# Allegro board Sparrow Core PCB v1.1.brd (continued)
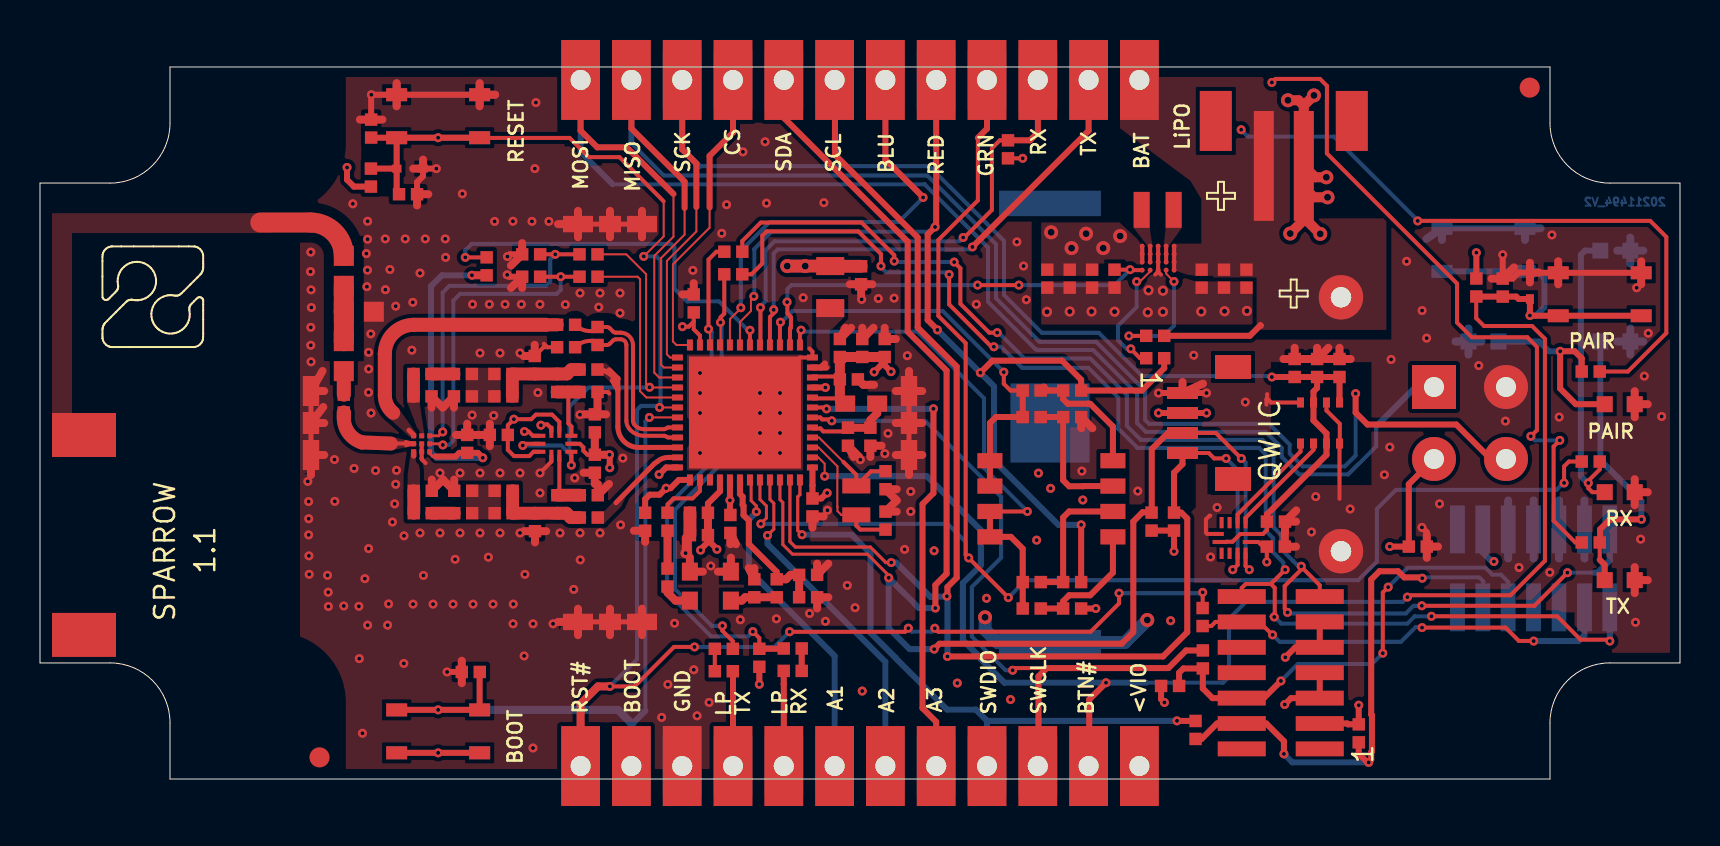
[diagram p0: board, top side]
## Routing (per net, layer and track width the routed paths; a pad name or vN(x,y) marks a point on that pad's centre or on a via; arc(x,y) is an arc through that point) (continued)
I2C2_SCL_BME: length 5.3
  TOP w0.2: U2.4 63.02,16.38 59.88,13.23 U7.4
I2C2_SDA: length 79.7
  TOP w0.15: U3.34 37,13.98 37.14,13.84 37.14,11.73 37.62,11.25 41.37,11.25 42.43,10.18 v1(42.43,10.07)
  TOP w0.2: v1(60.46,10.47) 60.28,10.66 U7.12 ; J4.3 58.79,17.31 v1(60.07,16.04)
  TOP w0.3: J4.3 56.39,17.31 55.59,16.51 55.59,13.34 R8.1 55.56,13.34 55.13,13.34 54.66,12.88 54.66,7.35 54.08,6.77 44.98,6.77 v1(44.71,6.5) ; v1(44.77,8.55) 44.77,9.71 45.33,10.27 45.33,20.44 43.38,22.38 43.38,26.88 37.2,33.07 37.2,34.96 J2.5
  BOTTOM w0.2: v1(60.07,16.04) 60.08,16.04 60.28,15.84 60.28,10.66 v1(60.46,10.47)
  BOTTOM w0.3: v1(44.71,6.5) 43.49,6.5 42.43,7.55 v1(42.43,10.07) 43.95,8.55 v1(44.77,8.55)
I2C2_SDA_BME: length 5.4
  TOP w0.2: U7.3 60.28,13.07 63.67,16.46 U2.3
LED_BLUE: length 74.4
  TOP w0.1: U3.8 34.5,22.89 34.5,22.89 34.5,23.01 35.05,23.56 35.05,23.58 v1(35.04,23.58)
  TOP w0.2: v1(68.88,27.92) 80.51,27.92 81.32,27.11 81.32,22.31 79.39,20.38 R18.1
  TOP w0.3: J2.7 42.27,30.99 44.16,29.1 44.16,29.09 v1(44.16,29.09)
  GND w0.3: v1(60.06,32.48) 42.57,32.48 42.27,32.78 J2.7
  BOTTOM w0.2: v1(60.06,32.48) 60.4,32.14 64.69,32.14 68.88,27.95 v1(68.88,27.92) ; v1(35.04,23.58) 35.04,26.43 36.47,27.86 42.93,27.86 v1(44.16,29.09)
LED_GREEN: length 75.8
  TOP w0.15: v1(36.04,12.76) 36.04,12.77 36.32,13.05 36.32,13.66 36,13.99 U3.32
  TOP w0.2: 46.89,32.08 46.89,28.95 44.92,26.97 44.92,23.17 46.28,21.8 46.28,11.21 v1(46.43,11.06) 48.42,9.08 v1(48.42,9.08) ; v1(76.2,14.81) 76.2,15.64 76.45,15.88 77.06,15.88
  TOP w0.3: J2.9 47.35,32.53 46.89,32.08
  BOTTOM w0.2: v1(48.42,9.08) 49.29,9.95 65.91,9.95 66.84,10.88 66.84,13.51 67.8,14.47 75.83,14.47 76.17,14.81 v1(76.2,14.81) ; v1(36.04,12.76) 45.37,12.76 46.28,11.85 46.28,11.21 v1(46.43,11.06)
LED_RED: length 109.2
  TOP w0.1: v1(35.69,24.15) 35.69,24.12 35.55,23.98 35.55,23.41 35,22.86 U3.7
  TOP w0.2: v1(74.54,17.15) 74.85,17.45 74.85,21.62 74.37,22.1 71.59,22.1 70.85,22.84 70.85,24.79 64.34,31.3 64.34,33.92 64.35,33.93 64.35,34.67 64,35.02 61.77,35.02 v1(61.59,34.84) ; v1(75.99,16.94) 75.68,16.63 75.68,12.92 76.77,11.83 R14.1
  TOP w0.3: J2.8 44.81,27.67 v1(44.75,27.62) 44.38,27.25 44.38,22.96 44.87,22.47 44.87,22.47 v1(44.87,22.47) ; v1(47.02,20.33) 47.62,20.93 51.1,20.93 52.06,19.98 R23.2 55.09,19.43 56.21,20.55 R6.1 ; v1(52.06,12.72) R25.2
  GND w0.2: 44.81,33.19 45.01,32.99 56.32,32.99 56.73,33.4 56.73,34.38 57.2,34.84 v1(61.59,34.84)
  GND w0.3: 44.81,33.19 J2.8
  BOTTOM w0.2: v1(35.69,24.15) 35.71,24.17 35.71,26.51 36.58,27.38 44.52,27.38 v1(44.75,27.62) ; v1(75.99,16.94) 74.74,16.94 v1(74.54,17.15)
  BOTTOM w0.3: v1(52.06,12.72) 50.92,12.72 47.7,15.93 47.7,19.64 v1(47.02,20.33) 47.02,20.33 44.87,22.47 44.87,22.47 v1(44.87,22.47)
LPUART1-UC-RX_DEV-TX: length 27
  TOP w0.1: U3.10 33.5,22.44 v1(33.43,22.51)
  TOP w0.2: R16.1 35.97,7.05 v1(35.64,7.38) ; R37.1 33.82,26.38 33.43,25.98 v1(33.43,22.51)
  TOP w0.3: R16.1 37.17,6.52 R3.1
  BOTTOM w0.2: v1(33.43,22.51) 33.5,22.44 33.5,22.36 33.58,22.36 33.58,15.87 31.35,13.64 31.35,9.33 33.55,7.14 35.41,7.14 v1(35.64,7.38)
LPUART1-UC-TX_DEV-RX: length 22.5
  TOP w0.1: U3.9 34.03,21.74 34.03,22.84 v1(34.02,22.84)
  TOP w0.2: R38.1 34.21,23.28 34.03,23.1 34.03,22.84 ; v1(34.12,7.66) 34.12,7.41 34.64,6.89 R1.1
  BOTTOM w0.2: v1(34.12,7.66) 33.59,7.66 31.75,9.5 31.75,13.47 34.09,15.81 34.09,22.78 v1(34.02,22.84)
NRST: length 90.2
  TOP w0.1: v1(30.98,18.59) U3.18 ; 31.18,28.9 31.18,27.14 v1(30.19,26.14)
  TOP w0.2: v1(44.74,7.54) 44.92,7.37 52.53,7.37 53.95,8.79 v1(53.95,9.3) ; PB3.4 21.99,32.07 26.48,32.07 27.44,31.11 28.97,31.11 31.18,28.9 ; v1(58.13,9.34) 58.13,8.56 R12.2 ; v1(32.73,6.61) 31.7,6.61 29.73,4.63 v1(28.5,4.63) ; v1(37.48,7.37) 43.25,7.37 43.42,7.53 v1(43.42,7.55)
  TOP w0.3: PB3.3 16.56,32.08 C29.1 ; PB3.3 17.83,32.08 TVS2.1 ; PB3.3 v1(19.91,32.08) PB3.4 ; TVS2.1 R21.1 ; TVS2.1 17.83,29.37 C23.1
  TOP w0.4: J1.12 27.03,3.76 27.9,4.63 v1(28.5,4.63)
  BOTTOM w0.2: v1(43.42,7.55) 43.6,7.37 44.57,7.37 v1(44.74,7.54) ; v1(28.5,4.63) 29.85,5.99 29.85,18.47 30.05,18.67 30.9,18.67 v1(30.98,18.59) 31.02,18.63 31.02,25.94 30.82,26.14 v1(30.19,26.14) ; v1(58.13,9.34) 58.09,9.3 v1(53.95,9.3) ; v1(32.73,6.61) 36.72,6.61 v1(37.48,7.37)
  BOTTOM w0.3: PB3.4 v1(19.91,32.08) PB3.3
RF1_50OHM: length 12.9
  TOP w0.25: 18.45,17.45 18.68,17.21 U6.3
  TOP w0.65: 25.3,22.72 C18.1
  TOP w0.7: 25.3,22.72 18.7,22.72 arc(17.67,22.3) 17.24,21.27 17.24,19.19 arc(17.35,18.71) 17.66,18.32
RF2: length 1.3
  TOP w0.25: U6.5 18.68,16.16 18.69,16.16
  TOP w0.64: L13.2 C47.1
RF3: length 1.1
  TOP w0.64: L10.2 C48.1
RF_HP_50OHM: length 4.6
  TOP w0.64: L7.1 26.54,13.08 26.32,13.3 L11.2 C43.1 L12.1 C38.2
RF_LP_50OHM: length 4.6
  TOP w0.64: C36.1 L9.1 C44.1 L8.2 26.35,20.26 26.57,20.48 L6.1
RFI+: length 9.8
  TOP w0.2: U3.20 31.42,17.59 arc(31.36,17.58) 31.31,17.54 arc(31.27,17.51) 31.21,17.5 30.19,17.5 arc(29.92,17.56) 29.71,17.74 arc(29.66,17.83) 29.65,17.93 29.65,21.71 arc(29.47,22.15) 29.03,22.33 28.8,22.33 arc(28.72,22.34) 28.65,22.39 28.49,22.55 arc(28.42,22.6) 28.35,22.61 L5.2 27.88,22.61 27.68,22.41 27.51,22.41 arc(27.1,22.49) C18.2
RFI-: length 9.8
  TOP w0.2: U3.21 31.42,17.09 arc(31.36,17.1) 31.31,17.13 arc(31.27,17.16) 31.21,17.17 30.19,17.17 arc(29.78,17.27) 29.45,17.54 arc(29.35,17.72) 29.32,17.93 29.32,21.71 arc(29.23,21.91) 29.03,22 28.8,22 arc(28.72,21.98) 28.65,21.94 28.49,21.77 arc(28.42,21.73) 28.35,21.71 L5.1 27.67,21.92 27.52,21.92 arc(27.11,21.84) C35.2
RFSEL_0: length 26
  TOP w0.2: v1(38.05,22.46) 38.01,22.46 38.01,22.29 38,22.28 U3.1 ; v1(49.37,13.38) DSW1.3
  TOP w0.3: DSW1.3 DSW1.4 48.54,12.11 49.14,11.52 R29.2 R28.2
  BOTTOM w0.2: v1(49.37,13.38) 49.37,13.39 47.2,15.56 47.2,19.05 43.86,22.38 38.09,22.38 38.02,22.46 v1(38.05,22.46)
RFSEL_1: length 21.8
  TOP w0.2: v1(37.02,22.85) 37,22.85 U3.3 ; v1(48.19,20.35) 48.19,19.77 48.53,19.43 R30.2
  TOP w0.3: DSW1.2 DSW1.1 47.5,17.81 47.8,18.11 R27.2 R30.2
  BOTTOM w0.2: v1(37.02,22.85) 37,22.85 37,22.86 37.07,22.86 37.63,23.41 45.13,23.41 v1(48.19,20.35)
SPI1_CS: length 15.3
  TOP w0.1: U3.12 31.82,21.71 31.65,21.89 31.65,25.74 33.48,27.58 33.48,28.59
  TOP w0.3: J2.4 34.65,32.34 33.48,31.17 33.48,28.59
SPI1_MISO: length 78.2
  TOP w0.1: U3.14 31.2,20.59 31.05,20.74 31.05,26.05 32.23,27.23 32.23,28.57
  TOP w0.3: 32.23,28.57 32.23,29.88 29.57,32.54 J2.2 ; v1(65.78,19.28) 65.78,18.33 66.38,17.73 70.81,17.73 72.54,16.01 U5.3
  BOTTOM w0.2: v1(65.78,19.28) 65.78,16.18 65.24,15.64 63.13,15.64 62.49,16.28 62.49,16.73 61.45,17.77 55.46,17.77 55.26,17.97 55.26,19.43 52.81,21.87 49.99,21.87 49.94,21.92 49.92,21.92 47.8,24.04 47.8,26.75 44.36,30.19 31.19,30.19 29.57,31.81
  BOTTOM w0.3: 29.57,31.81 J2.2
SPI1_MOSI: length 77.2
  TOP w0.1: U3.15 30.96,20.09 30.71,20.33 30.71,26.17 31.67,27.13 31.67,29.27
  TOP w0.3: J2.1 27.03,32.43 27.86,31.6 29.34,31.6 31.67,29.27
  BOTTOM w0.2: 28.63,29.75 44.24,29.75 47.4,26.59 47.4,23.88 49.76,21.52 49.78,21.52 49.83,21.47 49.94,21.47 49.94,21.47 52.65,21.47 54.86,19.26 54.86,17.8 55.3,17.37 61.29,17.37 62.09,16.57 62.09,16.11 62.96,15.24 65.41,15.24 66.81,16.64 66.81,17.65
  BOTTOM w0.3: 28.63,29.75 27.03,31.35 J2.1 ; U5.1 68.77,19.61 66.81,17.65
SPI1_SCK: length 71
  TOP w0.1: 32.82,28.62 32.82,27.39 31.34,25.92 31.34,21.25 31.51,21.09 U3.13
  TOP w0.2: U7.8 59.32,11.86 59.33,11.87 59.63,11.87 60.02,12.26 U7.2 61.15,12.26 61.35,12.46 C54.1
  TOP w0.3: 63.85,20.11 63.85,20.11 R35.2 62.73,20.11 v1(61.59,20.11) ; 63.85,20.11 C9.1 C8.1 64.97,18.84 64.97,18.84 ; 63.85,20.11 63.85,19.56 63.67,19.39 63.67,17.94 64.33,17.29 U2.2 64.33,16.21 61.35,13.24 C54.1 ; 32.82,28.62 32.82,30.79 32.11,31.5 J2.3
  BOTTOM w0.2: 32.96,30.66 44.46,30.66 48.2,26.92 48.2,24.21 50.09,22.32 52.94,22.32 55.1,20.16 61.43,20.16 61.48,20.11 v1(61.59,20.11)
  BOTTOM w0.3: J2.3 32.11,31.51 32.96,30.66
SWC: length 24.5
  TOP w0.2: v1(67.14,6.29) 67.14,9.33 v1(67.41,9.6)
  TOP w0.3: v1(62.05,4.91) 61.19,4.05 J6.6 58.63,4.05 58.14,4.53 R11.1 57.17,5.53 56.95,5.32 R13.2
  BOTTOM w0.2: J5.6 73.41,9.87 73.05,10.22 72.61,10.22 72.27,10.57 68.38,10.57 v1(67.41,9.6) ; v1(67.14,6.29) 66.6,5.76 62.9,5.76 v1(62.05,4.91)
SWCLK: length 36.4
  TOP w0.2: v1(39.59,17.92) 39.52,17.99 39.11,17.99 39.01,18.09 U3.42 ; 50.34,5.55 48.74,5.55 v1(48.63,5.44)
  TOP w0.3: J1.3 49.92,0.68 49.92,5.14 50.34,5.55 56.42,5.55 57.3,6.43 R11.2
  BOTTOM w0.2: v1(39.59,17.92) 44.25,17.92 48.06,14.11 48.06,11.08 46.59,9.61 46.59,7.13 48.28,5.44 v1(48.63,5.44)
SWD: length 28
  TOP w0.3: v1(69.11,10.04) 69.11,10.09 68.21,10.09 67.9,10.39 66.97,10.39 66.56,9.98 66.56,3.23 66.6,3.19 66.6,1.38 66.56,1.34 66.56,0.96 v1(66.43,0.83) 66.36,0.83 65.94,1.26 R9.2 ; v1(62.2,1.26) 62.2,1.89 61.31,2.78 J6.4 58.85,2.78 58.08,2 R10.1
  BOTTOM w0.2: J5.4 72.17,8.61 72.17,9.89 71.97,10.09 69.11,10.09 v1(69.11,10.04)
  BOTTOM w0.3: v1(66.43,0.83) 62.62,0.83 v1(62.2,1.26)
SWDIO: length 31
  TOP w0.159: U3.36 38,14.23 37.88,14.11 37.88,12.44 v1(38.1,12.22)
  TOP w0.3: R10.2 56.86,2.9 v1(56.85,2.91)
  BOTTOM w0.3: 47.35,2.91 v1(56.85,2.91) ; 47.35,2.91 J1.4 ; 47.35,2.91 46.79,3.47 45.36,3.47 42.77,6.06 42.77,6.07 41.52,7.32 41.52,11.28 40.58,12.22 v1(38.1,12.22)
SWR: length 21.7
  TOP w0.2: v1(61.63,7.21) 61.63,7.21 60.98,7.86 J6.12 58.77,7.86 58.57,7.65 R12.1 ; v1(69.1,7.58) 73.28,7.58 73.94,6.91 74.68,6.91 v1(74.68,6.9)
  BOTTOM w0.2: v1(61.63,7.21) 61.98,6.86 68.05,6.86 68.79,7.61 69.07,7.61 v1(69.1,7.58)
  BOTTOM w0.3: J5.12 77.22,7.2 76.92,6.9 74.69,6.9 74.68,6.91 v1(74.68,6.9)
USART1-UC-RX_DEV-TX: length 25.4
  TOP w0.2: v1(36.02,23.59) 36.02,21.74 U3.5 ; v1(46.16,27.09) 46.18,27.09 46.18,27.11 46.24,27.11 47.6,28.47 47.6,31.56 47.99,31.95 R15.1
  TOP w0.3: J2.10 49.89,34.97 49.89,32.34 49.5,31.95 R15.1
  BOTTOM w0.2: v1(36.02,23.59) 36.02,23.66 36.29,23.92 36.29,26.46 36.73,26.9 45.97,26.9 v1(46.16,27.09)
USART1-UC-TX_DEV-RX: length 25.5
  TOP w0.2: U3.4 36.5,23.12 36.69,23.3 v1(36.69,23.47)
  TOP w0.3: v1(46.62,26.62) 52.43,32.43 J2.11
  BOTTOM w0.2: v1(46.62,26.62) 46.5,26.49 36.89,26.49 36.69,26.29 v1(36.69,23.47)
VCP_RX: length 64.3
  TOP w0.2: v1(45.71,25.86) 46.02,25.55 46.02,23.77 47.46,22.33 v1(47.86,22.33) ; J6.13 63.99,9.69 63.06,10.62 v1(63.06,10.64) 63.04,10.63 63.04,10.46 62.24,9.65 62.24,8.53 62.42,8.34 62.42,8.34 v1(62.38,8.34) ; R37.2 35.12,26.92 36.04,27.84 41.08,27.84 42.71,26.2 v1(42.71,25.91) ; v1(69.09,8.67) 69.09,8.63 69.13,8.67 74.72,8.67 v1(76.37,10.32)
  BOTTOM w0.2: v1(47.86,22.33) 47.93,22.33 49.22,21.04 52.51,21.04 54.34,19.21 54.34,17.67 55.05,16.97 61.12,16.97 61.69,16.4 61.69,12.58 62.05,12.22 62.05,11.51 62.66,10.91 62.66,10.91 62.92,10.64 v1(63.06,10.64) ; v1(69.09,8.67) 69.09,8.63 69.05,8.67 68.68,8.67 68.29,8.28 62.48,8.28 62.42,8.34 v1(62.38,8.34) ; v1(45.71,25.86) 42.76,25.86 v1(42.71,25.91) ; 77.7,10.32 v1(76.37,10.32)
  BOTTOM w0.3: 77.7,10.32 77.88,10.32 78.49,10.94 J5.13
VCP_TX: length 65.2
  TOP w0.2: v1(69.57,8.14) 75.86,8.14 77.03,6.97 78.49,6.97 v1(78.49,6.9) ; R38.2 35.58,25.25 36.11,25.79 36.11,27.18 36.33,27.4 40.91,27.4 42.05,26.26 v1(42.05,25.66) ; v1(47.69,21.62) 47.58,21.62 45.46,23.74 v1(45.46,25.24) ; v1(61.71,8.11) 61.7,8.12 61.59,8.12 61.59,8.15 61.74,8.3 61.74,9.56 61.54,9.76 ; J6.14 60.09,9.56 60.29,9.76 61.54,9.76 ; v1(62.26,10.47) 61.54,9.76
  BOTTOM w0.2: v1(45.46,25.24) 45.34,25.35 42.3,25.35 42.05,25.6 v1(42.05,25.66) ; v1(61.71,8.11) 61.71,8.12 61.75,8.12 61.82,8.04 61.82,8.01 62.06,7.78 68.37,7.78 68.74,8.14 v1(69.57,8.14) ; v1(62.26,10.47) 62.26,10.43 62.16,10.52 62.16,10.84 61.65,11.35 61.65,12.05 61.29,12.41 61.29,16.23 60.96,16.57 54.87,16.57 53.92,17.52 53.92,19.07 52.42,20.57 49.11,20.57 48.06,21.62 v1(47.69,21.62)
  BOTTOM w0.3: v1(78.49,6.9) J5.14
VR_PA: length 7.7
  TOP w0.2: U4.9 26.99,16.77 27.17,16.59 27.17,16.42 27.37,16.22 C24.1
  TOP w0.3: v1(30.95,15.23) 31.31,15.59 U3.24 ; 28.4,16.22 28.4,16.2 28.49,16.12 28.49,15.57 v1(28.49,15.57)
  TOP w0.4: C33.1 C24.1 v1(28.48,16.22)
  POWER w0.3: v1(30.95,15.23) 28.83,15.23 v1(28.49,15.57)
N17278494: length 4.4
  TOP w0.2: C13.2 40.22,17.39 39.17,17.39 39.02,17.54 38.67,17.54 U3.41
  TOP w0.4: C13.2 C12.2 41.52,17.96 41.86,18.3 L2.2
N17280094: length 7
  TOP w0.1: Y1.1 40.06,13.21 39.87,13.4 39.87,13.62 39.86,13.63 39.86,15.14 39.87,15.15 39.87,15.64 38.93,16.59 U3.39
  TOP w0.2: C16.2 41.01,12.48 40.81,12.68 Y1.1
N17280099: length 5.3
  TOP w0.1: 40.17,15.87 38.95,17.09 U3.40
  TOP w0.2: C15.2 41.55,15.4 Y1.2 40.81,15.22 40.17,15.87
N17288799: length 1
  TOP w0.3: 39.04,20.59 U3.47 ; 39.04,20.59 39.25,20.79 ; 39.04,20.59 39.32,20.59
N17291507: length 3.1
  TOP w0.2: L11.1 25.97,14.3 U4.7
  TOP w0.64: L11.1 C42.1
N17292369: length 4
  TOP w0.25: 28.8,13.82 30.4,15.46 30.73,15.78 30.88,15.89 arc(31.12,16.04) 31.4,16.09 U3.23
N17293081: length 9.4
  TOP w0.25: U3.22 29.94,16.59 arc(29.2,16.89) 28.89,17.63 28.89,19.46 ; 28.89,19.46 28.62,19.93 ; 28.89,19.46 28.89,20.04 ; 28.89,19.46 arc(28.75,19.99) 28.36,20.36 ; 28.36,20.36 28.89,20.04 ; 28.36,20.36 arc(28.12,20.45) L6.2 ; 28.89,20.04 28.46,20.47
N17293092: length 3.4
  TOP w0.2: U4.10 26.57,17.18 26.57,17.63 26.42,17.79 26.42,19.36
  TOP w0.64: L8.1 C41.1
N17295415: length 1.1
  TOP w0.64: L13.1 C39.2
N17296104: length 1.1
  TOP w0.64: L10.1 C37.2
N17304171: length 6.3
  TOP w0.1: U1.D2 56.31,25.28 v1(56.7,24.89)
  TOP w0.2: R5.2 54.45,22.17 v1(54.45,22.16)
  BOTTOM w0.2: v1(54.45,22.16) 56.18,22.16 56.7,22.68 v1(56.7,24.89)
N17304805: length 6.1
  TOP w0.1: v1(54.83,24.88) 55,24.88 55.51,25.39 U1.D4
  TOP w0.2: R6.2 55,21.05 v1(54.54,21.52)
  BOTTOM w0.2: v1(54.54,21.52) 54.33,21.52 53.9,21.94 53.9,22.68 54.83,23.61 v1(54.83,24.88)
N17308903: length 9.6
  TOP w0.3: R18.2 77.09,21.04 76.73,21.4 v1(76.01,21.4) 76.01,19.54 76.79,18.75 LD3.2
  BOTTOM w0.3: LD6.2 74.96,21.89 75.45,21.4 v1(76.01,21.4)
N17308944: length 14.7
  TOP w0.2: R14.2 77.99,10.97
  TOP w0.3: 77.99,10.97 78.23,10.72 78.23,9.95 LD1.2 ; v1(80.07,12.99) 78.5,12.99 78.01,12.49 78.01,11.86 R14.2
  BOTTOM w0.3: LD4.2 78.01,15.96 78.92,15.05 78.93,15.05 80.07,13.91 v1(80.07,12.99)
N17309023: length 15.1
  TOP w0.2: LD2.2 77.61,14.35 77.41,14.55 v1(77.41,14.81) 77.41,14.92 77.99,15.49 R17.2
  BOTTOM w0.3: v1(77.41,14.81) 77.38,14.81 77.04,15.14 77.04,26.22 77.26,26.44 LD5.2
N17347758: length 6.6
  TOP w0.3: DSW1.8 53.65,17.64 52.51,18.77 52.41,18.77 52.41,18.77 51.39,18.77 51.16,19.01 R23.1 50.39,19.43 ; 50.39,19.43 R30.1 ; 50.39,19.43 50.19,19.63
N17347760: length 6.9
  TOP w0.3: DSW1.7 52.17,14.65 52.16,14.65 51.46,14.65 51.16,14.95 R24.1 R27.1
N17347762: length 7
  TOP w0.3: DSW1.6 51.46,13.38 51.16,13.08 R25.1 R29.1
N17347764: length 6.4
  TOP w0.3: R28.1 R26.1 51.16,8.89 51.46,9.19 52.51,9.19 53.65,10.33 DSW1.5
N17349907: length 8.1
  TOP w0.3: U3.30 35,14.26 35.13,14.12 35.13,13.71 35.18,13.66 35.18,13.2 35.44,12.93 35.44,11.76 36.84,10.36 L4.1
  TOP w0.4: C28.1 C34.1 37.52,10.21 37.3,9.99 L4.1
N17372578: length 2.4
  TOP w0.4: Y2.4 35.09,8.92 35.26,9.09 C32.1 L4.2
N17376183: length 1.9
  TOP w0.4: R19.1 C17.2
N17376186: length 1.6
  TOP w0.4: R19.2 31.38,9.32 31.78,8.92 Y2.3
N17376189: length 2.9
  TOP w0.2: C17.1 31.38,13.33 31.38,13.74 31.68,14.04 32.63,14.04 33,14.41 U3.26
N17488667: length 4.8
  TOP w0.3: J1.8 37.19,4.74 37.19,4.75 R4.2
N17488677: length 1.1
  TOP w0.3: R3.2 R4.1
N17488699: length 4.7
  TOP w0.3: R2.2 34.65,5.38 J1.9
N17488701: length 1.1
  TOP w0.2: R1.2 R2.1
N17495159: length 16.7
  TOP w0.14: v1(20.14,17.36) 19.94,17.17 U6.1
  TOP w0.2: C50.1 v1(25.76,26.25) R31.2
  BOTTOM w0.2: v1(25.76,26.25) 25.51,26 25.51,24.87 25.31,24.67 20.47,24.67 20.14,24.34 v1(20.14,17.36)
N17495215: length 16.5
  TOP w0.14: v1(20.14,16.71) 20.14,16.75 20.13,16.77 U6.8
  TOP w0.2: C51.1 v1(26.04,25.13) R32.1
  BOTTOM w0.2: v1(26.04,25.13) 26.04,24.47 25.84,24.27 21.01,24.27 20.67,23.93 20.67,16.93 20.45,16.71 v1(20.14,16.71)
N17495232: length 5.1
  TOP w1: 11.02,27.84 13.52,27.84 arc(14.7,27.35) L14.1
N17495234: length 2.8
  TOP w1: L14.2 15.19,23.38 L15.1 15.19,21.91 R33.1
N17495240: length 1.2
  TOP w0.7: R36.1 15.19,20.4 R33.2
N17495242: length 5.3
  TOP w0.159: 18.29,16.88 U6.4 18.29,16.67
  TOP w0.2: 18.57,16.77 18.25,16.78 17.54,16.78
  TOP w0.25: U6.4 18.57,16.77
  TOP w0.7: 17.54,16.78 16.09,16.84 arc(15.43,17.31) 15.19,18.08 15.19,18.19 15.19,18.33 R36.2
N17495244: length 17
  TOP w0.14: U6.7 19.48,16.28 19.63,16.14 19.77,16.14
  TOP w0.3: 19.77,16.14 20.79,16.14 20.96,16.31 C52.1 21.89,16.31 v1(22.14,16.07)
  TOP w0.4: R34.1 22.33,25.2 v1(21.6,25.2)
  BOTTOM w0.3: v1(21.6,25.2) 20.1,25.2 19.55,24.64 19.55,16.35 19.83,16.07 v1(22.14,16.07)

## Copper pours and planes (outline as drawn; the poured copper is in the pictures)
GND on TOP: 44.09,20.39 44.09,15.04 42.78,15.04 42.78,20.39
GND on TOP: 25.84,28.52 25.84,27.12 30.94,27.12 30.94,28.52
GND on TOP: 55.78,25.45 56.03,25.45 57.77,24.89 60.63,24.89 60.63,22.73 50.06,22.73 50.06,24.89 54.04,24.89
GND on TOP: 46.18,35.12 47.59,35.12 47.59,32.83 49.85,32.83 49.85,29.47 48.98,29.47 49.83,30.32 49.84,30.34 49.85,30.36 49.85,31.57 49.84,31.6 49.82,31.61 49.73,31.66 49.7,31.66 49.69,31.66 49.6,31.61 49.5,31.6 48.96,31.6 48.93,31.58 48.91,31.55 48.91,31.49 48.93,31.46 48.96,31.44 49.06,31.47 49.13,31.48 49.56,31.05 49.13,30.62 49.06,30.63 48.98,30.65 48.97,30.66 48.89,30.62 48.84,30.56 48.76,30.54 48.04,30.54 48,30.54 47.98,30.54 47.91,30.48 47.9,30.46 47.9,30.44 47.9,28.5 47.91,28.47 47.93,28.46 47.96,28.46 47.98,28.47 48.51,29 48.51,27.88 49.59,27.88 49.59,22.01 49.85,22.01 49.85,21.99 54.09,21.99 54.09,21.1 55.93,21.1 55.93,21.99 67.56,21.99 67.56,28.38 81.5,28.38 81.5,6.31 80.57,6.31 78.59,6.31 78.59,6.68 76.73,6.68 76.73,6.4 76.73,6.4 76.73,8.34 75.3,8.34 75.3,9.03 74.72,9.03 74.72,8.43 66.95,8.43 66.95,10.07 66.9,10.18 66.88,10.26 66.88,10.27 66.85,10.3 66.83,10.3 66.79,10.28 66.78,10.25 66.78,8.43 66.63,8.43 66.63,0.5 66.14,0.5 66.14,3.13 66.23,3.13 66.23,3.31 65.42,3.31 65.42,4.16 65.4,4.16 65.4,8.61 60.25,8.61 60.25,3.33 59.39,3.33 59.39,4.94 59.04,4.94 59.04,9.8 57.65,9.8 57.65,7.53 57.06,7.53 57.12,7.6 57.13,7.62 57.14,7.64 57.14,11.15 57.13,11.18 57.11,11.2 57.01,11.25 56.98,11.24 56.97,11.23 56.84,11.16 56.7,11.14 56.4,11.26 56.28,11.56 56.29,11.68 56.34,11.79 56.35,11.81 56.35,11.87 56.34,11.9 56.3,11.92 55.65,11.92 55.65,13.73 51.69,13.73 51.69,13.22 50.7,13.22 50.68,13.22 50.66,13.2 50.57,13.12 50.56,13.1 50.56,13.08 50.56,10.4 50.57,10.36 50.61,10.35 51.47,10.35 51.55,10.32 51.61,10.24 51.69,10.18 51.69,9.25 51.51,9.25 51.51,8.1 51.69,8.1 51.69,8.05 49.87,8.05 49.86,8.1 49.85,8.15 49.84,8.19 49.8,8.21 48.63,8.21 48.63,8.56 48.61,8.6 48.46,8.65 48.42,8.65 48.12,8.77 47.99,9.06 47.98,9.09 47.76,9.31 47.71,9.32 47.68,9.35 47.68,9.43 47.66,9.47 47.62,9.48 47.2,9.48 47.2,9.71 47.05,9.71 47.05,10.19 47.65,10.19 47.67,10.21 47.68,10.23 47.73,10.31 47.83,10.35 49.8,10.35 49.81,10.35 49.83,10.36 49.86,10.38 49.91,10.36 50.5,10.36 50.54,10.38 50.56,10.41 50.56,13.08 50.56,13.1 50.57,13.12 50.66,13.2 50.68,13.22 50.7,13.22 50.82,13.22 50.84,13.23 50.87,13.29 50.91,13.33 51.21,13.63 51.32,13.71 51.46,13.73 52.77,13.73 52.81,13.75 52.82,13.79 52.82,14.25 52.81,14.29 52.77,14.3 52.24,14.3 52.19,14.3 52.16,14.29 51.92,14.29 51.88,14.29 51.84,14.31 51.82,14.32 51.29,14.32 50.91,14.7 50.83,14.81 50.81,14.95 50.81,17.55 50.79,17.58 50.75,17.6 49.85,17.6 49.85,17.94 49.84,17.98 49.8,17.99 47.83,17.99 47.73,18.02 47.68,18.11 47.67,18.13 47.65,18.15 47.08,18.15 47.08,18.47 46.86,18.47 46.86,16.58 47.08,16.58 47.08,16.69 47.27,16.69 47.34,16.66 47.37,16.59 47.37,14.09 47.38,14.07 47.39,14.05 47.46,13.99 47.48,13.99 47.54,14 47.59,14 48.02,13.58 47.59,13.15 47.54,13.16 47.48,13.17 47.46,13.16 47.39,13.11 47.38,13.09 47.37,13.07 47.37,11.82 47.34,11.75 47.27,11.72 46.95,11.72 46.91,11.7 46.9,11.67 46.9,10.35 46.9,10.33 46.91,10.32 46.95,10.27 46.93,10.21 46.71,10.21 46.71,16.6 46.81,16.6 46.81,18.63 47.87,18.63 47.87,18.91 47.9,18.91 47.9,18.75 47.89,18.75 47.89,18.54 47.9,18.54 47.9,18.45 48.55,18.45 48.55,18.94 48.35,18.94 48.35,19.28 47.24,19.28 47.24,19.3 47.92,19.3 47.92,19.77 47.26,19.77 47.26,19.9 46.86,19.9 46.86,19.72 46.81,19.72 46.81,20.01 46.64,20.01 46.64,19.72 46.61,19.72 46.61,19.11 46.64,19.11 46.64,18.84 44.98,18.84 44.98,18.82 44.28,18.82 44.28,13.12 44.42,13.12 44.42,12.06 44.51,12.06 44.51,12.02 44.66,12.02 44.66,9.84 44.62,9.82 44.6,9.8 44.59,9.78 44.59,7.86 44.6,7.84 44.61,7.83 44.64,7.8 44.79,7.76 44.92,7.67 44.94,7.67 46.69,7.67 46.71,7.67 46.73,7.69 46.78,7.78 46.78,7.81 46.77,7.82 46.72,7.95 46.7,8.09 46.86,8.48 47.25,8.64 47.39,8.62 47.52,8.57 47.53,8.56 47.56,8.56 47.59,8.58 47.64,8.55 47.65,8.47 47.73,8.37 47.78,8.24 47.79,8.23 47.85,8.17 47.81,8.13 47.8,8.09 47.78,7.95 47.73,7.82 47.72,7.81 47.72,7.78 47.78,7.69 47.79,7.67 47.82,7.67 49.85,7.67 49.85,7.58 50.16,7.58 50.19,7.6 50.19,7.61 50.2,7.64 50.18,7.67 50.17,7.68 52.72,7.68 52.72,8.03 53.62,8.03 52.78,7.19 52.78,7.16 52.78,7.15 52.8,7.13 52.83,7.12 53.91,7.12 53.93,7.12 53.95,7.13 54.18,7.36 54.19,7.38 54.2,7.4 54.2,8.03 54.36,8.03 54.36,6.85 50.61,6.85 50.61,6.8 53.81,6.8 53.57,6.56 53.56,6.53 53.57,6.51 53.59,6.49 53.62,6.48 55.82,6.48 55.82,5.61 57.65,5.61 57.65,4.94 57.41,4.94 57.41,3.33 56.79,3.33 56.79,5.43 52.66,5.43 52.66,5.29 51.98,5.29 51.98,5.2 50.5,5.2 50.48,5.2 50.47,5.19 50.29,5.01 50.28,4.99 50.27,4.97 50.27,2.9 50.29,2.87 50.32,2.85 50.86,2.85 51,2.79 51.06,2.65 51.06,0.55 51.07,0.52 51.11,0.5 51.21,0.5 51.25,0.52 51.26,0.55 51.26,2.65 51.32,2.79 51.46,2.85 52.06,2.85 52.1,2.87 52.11,2.9 52.11,4.56 52.05,4.7 52.04,4.82 52.04,4.86 52.04,4.9 52.66,4.9 52.66,0.5 45.14,0.5 45.14,2.85 44.87,2.85 44.87,2.8 39.41,2.8 39.41,2.85 35.1,2.85 35.1,0.5 29.97,0.5 29.97,2.84 25.97,2.84 25.97,0.5 15.29,0.5 15.29,3.8 12.94,3.8 12.94,0.5 7,0.5 7,2.81 6.31,4.89 4.52,6.16 4.52,27.58 11.62,27.58 11.62,28.67 4.52,28.67 4.52,29.46 6.31,30.73 7,32.81 7,35.12 13.23,35.12 13.23,31.61 15.29,31.61 15.29,35.12 27.59,35.12 27.59,32.77 27.43,32.77 27.4,32.75 27.38,32.72 27.38,32.33 27.38,32.31 27.4,32.29 28.03,31.66 27.25,31.66 27.25,30.69 28.09,30.69 28.09,31.59 29.8,29.88 29.83,29.87 29.85,29.88 29.87,29.9 29.88,29.93 29.88,29.97 29.87,29.98 29.32,30.53 29.25,30.64 29.22,30.77 29.22,32.61 29.92,32.61 29.92,30.94 29.92,30.92 29.94,30.9 30.47,30.36 30.51,30.35 30.55,30.36 31.74,31.56 31.76,31.58 31.76,31.6 31.76,32.61 32.46,32.61 32.46,31.43 32.43,31.3 32.36,31.19 31.18,30.01 31.17,29.99 31.17,29.97 31.17,29.74 31.19,29.71 31.2,29.71 31.23,29.7 31.26,29.72 34.15,32.61 34.85,32.61 34.85,32.83 37.47,32.83 37.47,32.45 37.81,32.45 37.81,32.14 38.24,32.14 38.24,31.62 38.87,31.62 38.87,31.07 39.25,31.07 39.25,30.99 39.39,30.99 39.39,32.19 39.08,32.19 39.08,32.45 41.72,32.45 41.72,32.43 40.11,32.43 40.11,30.41 40.6,30.41 40.6,29.81 41.41,29.81 41.41,28.97 41.94,28.97 41.94,30.01 41.86,30.01 41.86,30.3 41.59,30.3 41.59,30.41 41.83,30.41 41.83,30.47 42.45,30.47 42.45,32.55 42.38,32.55 42.38,32.83 43.03,32.83 43.03,32.8 42.59,32.8 42.59,30.23 42.05,30.23 42.05,30.09 41.96,30.09 41.96,29.43 42.05,29.43 42.05,28.66 42.4,28.66 42.4,27.9 42.91,27.9 42.91,27.29 43.46,27.29 43.46,26.85 43.97,26.85 43.97,26.2 43.93,26.2 43.93,25.01 43.97,25.01 43.97,22.61 44.6,22.61 44.6,25.01 44.61,25.01 44.61,26.2 44.6,26.2 44.6,27.55 44.41,27.55 44.41,28 44.49,28 44.49,28.53 44.45,28.53 44.45,32.77 44.29,32.77 44.29,32.83 46.23,32.83 46.19,32.9 46.18,32.97 46.18,35.07 ; 44 cut-outs
GND on TOP: 25.85,8.68 25.85,7.12 31.19,7.12 31.19,8.68
GND on TOP: 14.41,15.1 14.41,20.92 12.9,20.92 12.9,15.1
GND on BOTTOM: 53.9,35.12 66.8,35.12 66.8,31.79 70.26,31.79 70.26,28.27 77.05,28.27 77.05,29.62 77.76,29.39 78.5,29.31 81.5,29.31 81.5,7.09 73.57,7.09 73.57,7.26 73.35,7.26 73.35,7.09 70.45,7.09 70.45,8.73 67.04,8.73 67.04,7.42 65.26,7.42 65.26,7.5 62.04,7.5 62.04,7.12 65.26,7.12 65.26,7.14 67.04,7.14 67.04,6.66 66.66,6.66 66.66,5.76 66.47,5.76 66.47,4.3 66.66,4.3 66.66,0.5 61.92,0.5 61.92,1.15 56.68,1.15 56.68,2.32 56.56,2.32 56.56,3.18 47.13,3.18 47.31,3 47.31,2.32 46.27,2.32 46.32,2.34 46.38,2.35 46.86,2.35 46.88,2.37 46.89,2.38 46.89,2.41 46.88,2.44 46.14,3.18 44.68,3.18 45.06,3.18 45.08,3.19 45.09,3.21 45.09,3.24 45.08,3.26 42.7,5.64 42.67,5.65 42.65,5.64 42.63,5.62 42.62,5.6 42.62,4.09 42.56,4.07 41.9,4.72 41.9,4.36 42.52,3.74 42.59,3.63 42.62,3.5 42.62,3.23 42.63,3.19 42.67,3.18 43.34,3.18 43.38,3.2 43.41,3.18 43.6,3.18 44.34,2.44 44.35,2.42 44.36,2.38 44.39,2.35 45.11,2.35 45.14,2.36 45.16,2.46 45.13,2.6 45.06,2.71 45.06,2.71 45.13,2.6 45.16,2.46 45.16,2.4 45.18,2.37 45.21,2.35 45.78,2.35 45.84,2.34 45.89,2.32 43.73,2.32 43.78,2.34 43.84,2.35 44.32,2.35 44.35,2.37 44.35,2.38 44.36,2.41 44.34,2.44 43.6,3.18 42.38,3.18 42.52,3.04 42.59,2.92 42.62,2.79 42.62,2.4 42.64,2.37 42.67,2.35 43.24,2.35 43.3,2.34 43.35,2.32 36.11,2.32 36.11,2.32 35.73,2.32 35.73,2.32 33.6,2.32 33.6,0.5 29.84,0.5 29.84,3.26 25.88,3.26 25.88,0.5 15.31,0.5 15.31,4.09 11.98,4.09 11.98,0.5 7,0.5 7,2.81 5.97,5.28 3.5,6.31 0.5,6.31 0.5,15.1 11,15.1 11,27.14 13,27.14 13,28.52 11,28.52 11,29.7 5.11,29.7 6.49,30.99 7,32.81 7,35.12 13.16,35.12 13.16,31.58 15.28,31.58 15.28,35.12 32.1,35.12 32.1,33.28 53.9,33.28 ; 41 cut-outs
GND on GND: 46.37,35.12 75,35.12 75,32.81 76.03,30.34 78.5,29.31 81.5,29.31 81.5,6.31 78.5,6.31 76.03,5.28 75,2.81 75,0.5 55.16,0.5 55.16,2.35 33.7,2.35 33.7,0.5 29.24,0.5 29.24,2.36 25.89,2.36 25.89,0.5 7,0.5 7,2.81 5.97,5.28 3.5,6.31 0.5,6.31 0.5,14.77 13,14.77 13,26.78 13.88,26.78 14.13,26.49 14.19,26.22 14.19,19.91 16.19,19.91 16.19,22.86 16.2,27.15 16,27.18 15.7,27.73 15.31,28.18 15.05,28.37 15.06,28.46 13,28.46 13,28.86 0.5,28.86 0.5,29.31 3.5,29.31 4.31,29.41 5.08,29.69 6.3,29.69 6.3,30.71 6.82,31.7 7,32.81 7,35.12 25.8,35.12 25.8,33.27 45.81,33.27 45.78,33.27 45.22,33.27 45.19,33.26 45.17,33.24 45.16,33.21 45.16,33.2 45.38,32.99 45.39,32.98 45.41,32.97 55.86,32.97 55.88,32.98 55.9,32.99 55.99,33.08 56,33.09 56,33.11 56.01,33.19 56.08,33.19 56.1,33.19 56.11,33.2 56.42,33.51 56.43,33.52 56.43,33.54 56.43,34.38 56.45,34.49 56.52,34.59 56.97,35.04 56.98,35.07 56.97,35.09 56.96,35.11 56.93,35.12 56.19,35.12 56.15,35.1 56.14,35.07 56.14,33.47 56.11,33.36 56.02,33.29 55.98,33.27 54,33.27 53.86,33.33 53.8,33.47 53.8,35.07 53.79,35.1 53.75,35.12 53.65,35.12 53.61,35.1 53.6,35.07 53.6,33.47 53.54,33.33 53.4,33.27 51.46,33.27 51.32,33.33 51.26,33.47 51.26,35.07 51.25,35.1 51.21,35.12 51.11,35.12 51.07,35.1 51.06,35.07 51.06,33.47 51,33.33 50.86,33.27 48.92,33.27 48.78,33.33 48.72,33.47 48.72,35.07 48.71,35.1 48.67,35.12 48.57,35.12 48.53,35.1 48.52,35.07 48.52,33.47 48.46,33.33 48.32,33.27 46.38,33.27 46.37,33.27 ; 6 cut-outs
GND on POWER: 13,30.16 13,35.12 14.05,35.12 14.05,30.16 19.45,30.16 19.45,14.76 14.05,14.76 14.05,0.5 13,0.5 13,14.76 12.43,14.76 12.43,27.28 11,27.28 11,27.29 13,27.29 13,28.91 10.43,28.91 10.43,30.16
VBAT on TOP: 54,35.12 61.86,35.12 61.86,33.86 63.16,33.86 63.16,28.05 67.32,28.05 67.32,22.46 60.22,22.46 58.63,25.17 57.77,25.17 56.7,25.34 56.58,25.34 56.58,26.77 56.71,26.78 58.06,26.78 58.06,29.01 57.52,29.92 54,32.55
VBAT on BOTTOM: 54,35.12 55.95,35.12 55.95,31.87 66.61,31.87 66.61,21.15 59.08,21.15 59.08,29.81 53.04,29.81 53.04,28.16 47.96,28.16 47.96,31.87 54,31.87 ; 1 cut-out
+VIO on TOP: 50.06,25.17 52.92,25.17 52.92,25.79 55.1,25.74 55.23,25.85 55.23,26.65 55.11,26.78 53.98,27.85 50.06,27.85
+VIO on POWER: 54.86,35.12 75,35.12 75,32.81 76.03,30.34 78.5,29.31 81.5,29.31 81.5,6.31 78.5,6.31 76.03,5.28 75,2.81 75,0.5 53.54,0.5 53.54,2.35 26.72,2.35 26.72,0.5 13.92,0.5 13.92,14.65 12.39,14.65 12.39,0.5 7,0.5 7,2.81 5.97,5.28 3.5,6.31 0.5,6.31 0.5,15.52 11,15.52 11,27.29 12.83,27.29 12.83,28.48 11,28.48 11,29.21 0.5,29.21 0.5,29.31 1.75,29.31 1.75,29.27 6.3,29.27 6.3,30.71 6.82,31.71 7,32.81 7,35.12 11.94,35.12 11.94,30.29 13.53,30.29 13.53,35.12 25.84,35.12 25.84,33.27 54.86,33.27 ; 3 cut-outs
BOLX on TOP: 54.68,29.37 55.48,29.37 55.48,27.57 55.63,26.66 55.52,26.54 55.38,26.65 54.68,27.57
BULX on TOP: 56.28,29.37 57.08,29.37 57.08,27.57 56.43,26.65 56.32,26.54 56.18,26.65 56.28,27.57
RF1_50OHM on TOP: 18.56,17.04 18.81,17.04 18.81,17.29 17.94,18.53 17.49,18.53 17.46,18.05
RF2 on TOP: 18.56,16.49 18.38,15.22 18.38,14.11 19,14.11 19,15.42 18.81,16.49
RF3 on TOP: 18.37,19.45 18.37,18.83 18.96,17.29 18.96,17.04 19.21,17.04 19.21,17.29 18.99,18.83 18.99,19.45
N17288799 on TOP: 38.35,20.44 39.41,20.44 39.62,20.65 39.62,22.52 40.21,23.11 40.21,24.01 38.81,24.01 38.81,21.56 39.09,21.28 39.09,20.93 38.9,20.74 38.35,20.74
N17292369 on TOP: 27.58,13.39 28.2,13.39 28.82,14.01 29,14.2 29.27,14.3 29.31,14.17 29.07,13.64 28.2,12.77 27.58,12.77
N17293081 on TOP: 27.57,20.79 28.33,20.79 29.02,20.1 29.02,19.46 28.9,19.46 28.19,20.17 27.57,20.17
N17294844 on TOP: 21.3,14.73 21.3,12.99 23.04,12.99 23.04,14.73
N17295858 on TOP: 21.29,20.57 21.29,18.83 23.03,18.83 23.03,20.57
N17495232 on TOP: 0.6,28.31 11.6,28.31 11.6,27.31 1.6,27.31 1.6,18.31 3.8,18.31 3.8,16.11 0.6,16.11

Small or netless copper shapes (teardrops, artwork), in the pictures only: 1 on TOP

## Text on the board
BOTTOM: 20211494_V2
Ref Des/Silkscreen Bottom: T# | SI | RS | MO | OT | SO | MI | BO | SCK | GND | TX | CS | LP | SDA | RX | A1 | SCL | A2 | BLU | A3 | RED | DIO | GRN | SW | CLK | # | BTN | < | BAT | VIO | PAIR | BOOT | RESET
Ref Des/Silkscreen Top: PAIR | RX | TX | BOOT | RESET | RST# | MOSI | MISO | SCK | GND | LP | CS | SDA | SCL | A1 | BLU | A2 | A3 | RED | GRN | SWDIO | SWCLK | BTN# | <VIO | BAT | LiPO | SPARROW | 1.1 | QWIIC
XSECTION_CHART: *  SURFACE - AIR 0 MM | * SOLDERMASK_TOP MASK - SOLDERMASK 0.02 MM | L1 TOP CONDUCTOR - COPPER 0.035 MM | *  DIELECTRIC - FR-4 0.4 MM | L2 GND PLANE - COPPER 0.035 MM | *  DIELECTRIC - FR-4 0.6 MM | L3 POWER PLANE - COPPER 0.035 MM | L4 BOTTOM CONDUCTOR - COPPER 0.035 MM | * SOLDERMASK_BOTTOM MASK - SOLDERMASK 0.02 MM | DESIGN CROSS SECTION CHART | ___________________________ | TOTAL THICKNESS 1.58 MM | 1-4
PAGE_OUTLINE: TOP | 0.7 | 0.64 | 0.2 | - | 0.13 | 50 ohm | 100 ohm | +/- 10%
User.7: FIGURE | FINISHED SIZE | 0.2 | 0.254 | 0.35 | 1.0 | 1.02 | 2.5 | ALL UNITS ARE IN MILLIMETERS | TOLERANCE | +0.075/-0.075 | TYPE | PLATED | NON-PLATED | QTY | 354 | 11 | 15 | 48 | 4 | 2 | DRILL CHART: TOP to BOTTOM
